# Allegro board C000PD020-3399PRO-DMEB-A-A01.brd (continued)
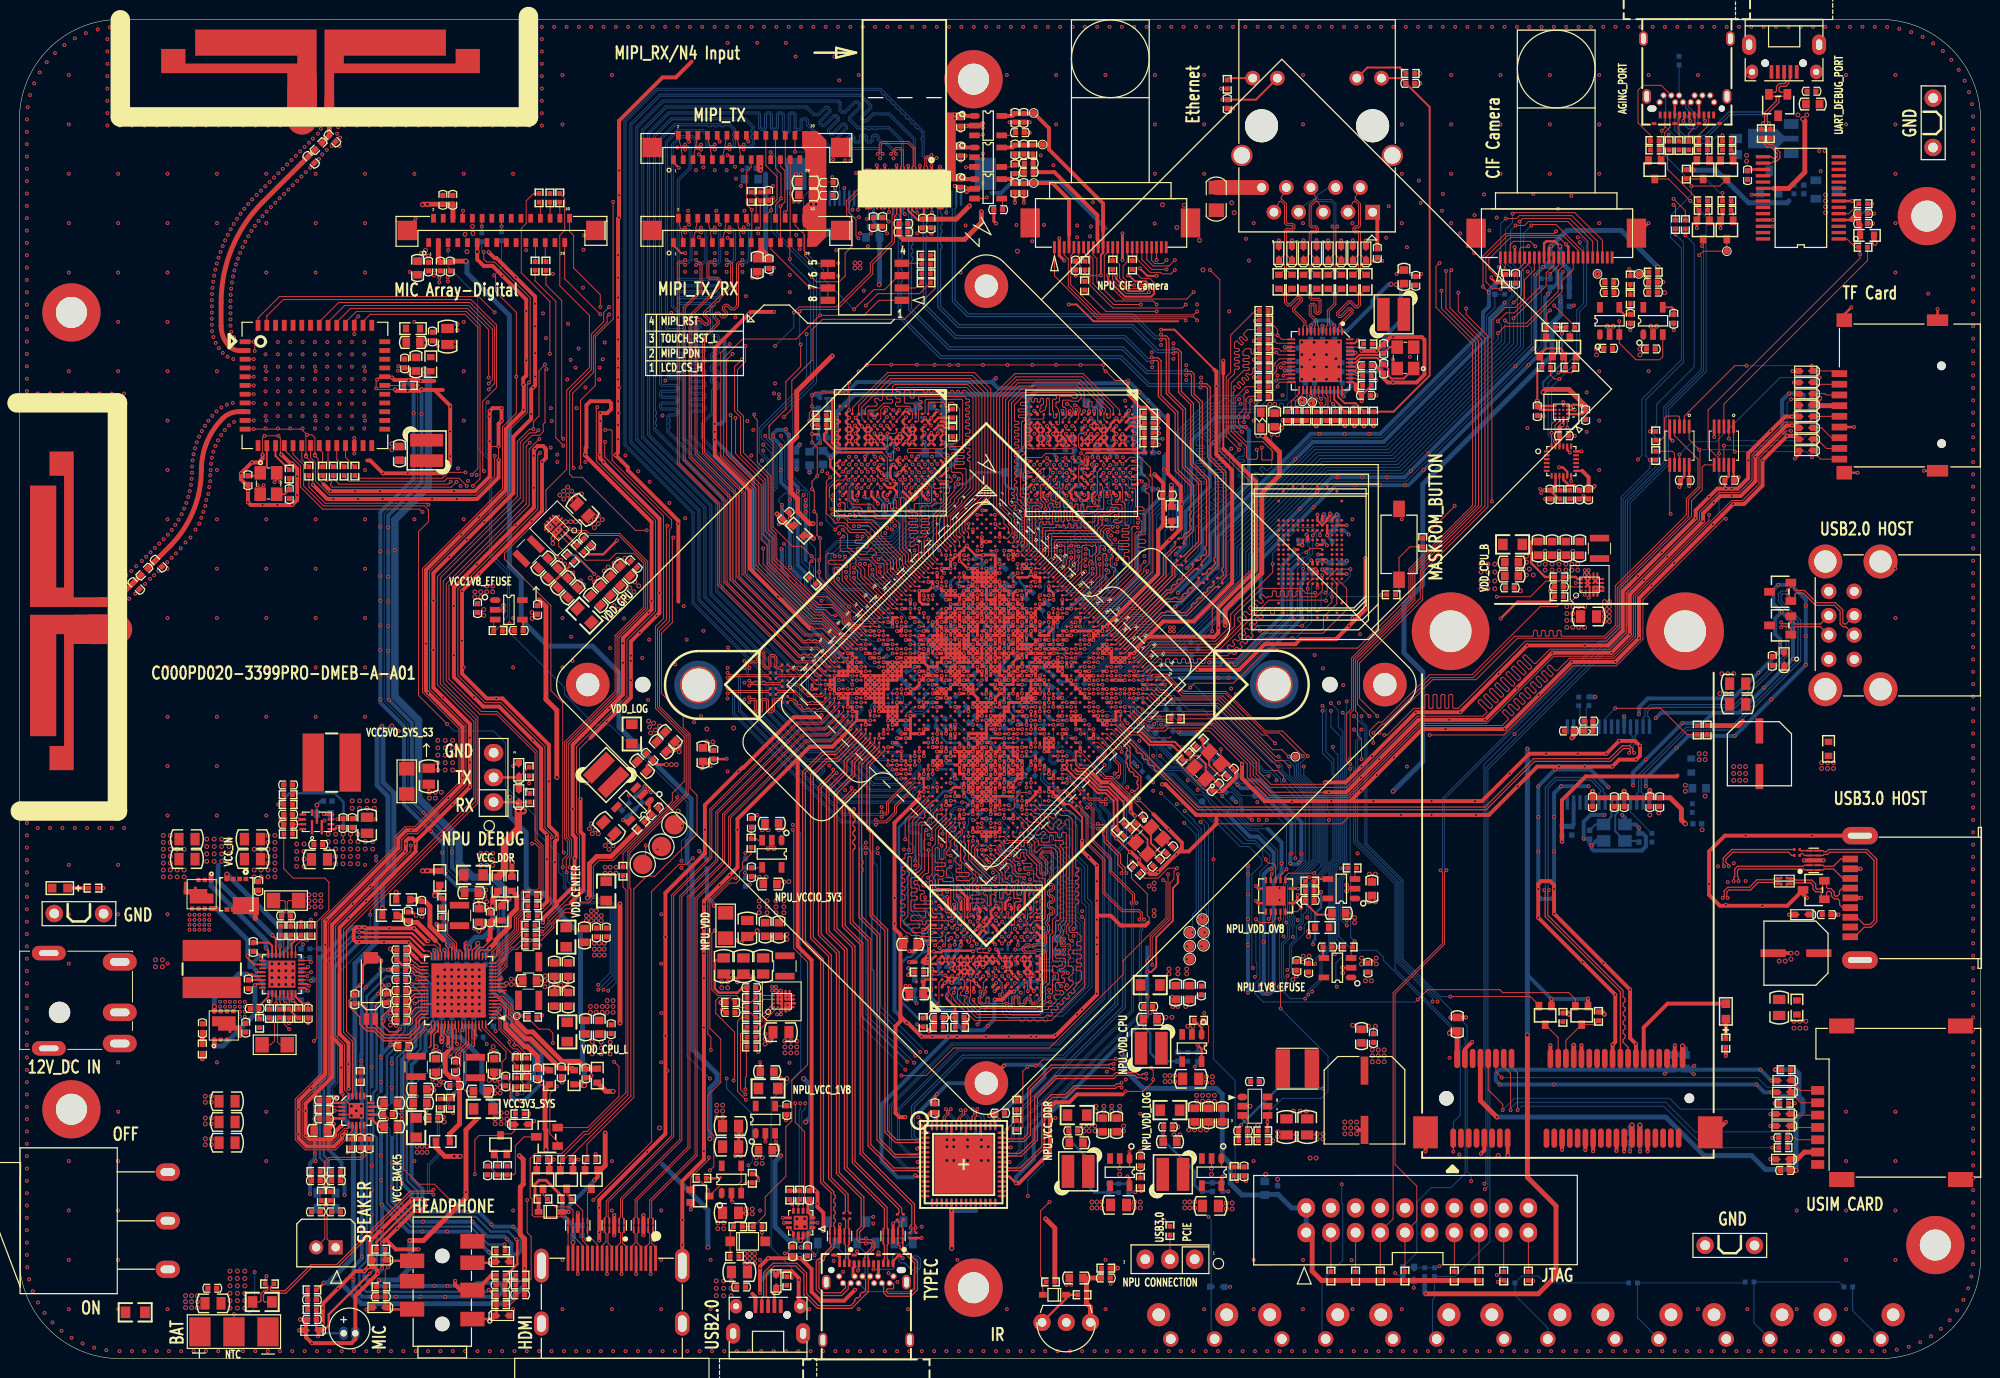
[diagram p0: board, top side]
## Routing (per net, layer and track width the routed paths; a pad name or vN(x,y) marks a point on that pad's centre or on a via; arc(x,y) is an arc through that point) (continued)
DDR0_DQS3P: length 18.2
  TOP w0.102: U3601.D10 92.86,90.76 v1(93.23,90.39) ; U1000.P4 v1(94.9,80.38)
  S1 w0.102: v1(93.23,90.39) 93.23,90.24 93.3,90.17 93.55,90.17 94.07,89.65 94.07,88.12 93.76,87.81 93.73,87.81 91.79,87.81 91.62,87.64 91.62,82.35 91.84,82.12 92.31,82.12 92.53,81.91 92.53,81.55 92.31,81.33 92.14,81.33 92.14,81.33 91.67,81.33 91.54,81.2 91.54,81.06 91.67,80.93 93.85,80.93 94.06,80.72 94.06,80.57 94.16,80.47 94.44,80.47 94.53,80.38 94.89,80.38 v1(94.9,80.38)
DDR0_ODT0: length 30.7
  TOP w0.102: U3601.J8 89.83,92.41 89.94,92.52 89.94,93.53 90.04,93.64 90.36,93.64 v1(90.42,93.58) ; U1000.L4 96.27,81.76 v1(96.27,81.76)
  S1 w0.102: v1(96.27,81.76) 96.27,82.12 96.8,82.64 96.8,83.06 96.49,83.37 96.49,83.98 96.7,84.18 96.7,84.76 96.61,84.84 96.28,84.84 96.19,84.93 96.19,85.06 96.28,85.15 96.61,85.15 96.7,85.24 96.7,85.36 96.61,85.45 96.28,85.45 96.19,85.54 96.19,85.67 96.28,85.76 96.61,85.76 96.7,85.85 96.7,85.97 96.61,86.06 96.28,86.06 96.19,86.15 96.19,86.28 96.28,86.37 96.61,86.37 96.7,86.46 96.7,89.06 97.51,89.87 97.51,92.06 97.36,92.21 97.05,92.21 96.95,92.11 96.95,92.01 96.85,91.91 96.24,91.91 96.14,92.01 96.14,93.74 95.94,93.93 95.32,93.93 95.22,93.83 95.22,93.27 95.12,93.17 94.75,93.17 94.65,93.27 94.65,93.83 94.55,93.93 94.35,93.93 94.24,93.83 94.24,93.27 94.14,93.17 93.94,93.17 93.84,93.27 93.84,93.83 93.74,93.93 93.53,93.93 93.43,93.83 93.43,93.48 93.33,93.37 93.12,93.37 93.02,93.48 93.02,93.83 92.92,93.93 92.72,93.93 92.62,93.83 92.62,93.48 92.51,93.37 92.31,93.37 92.21,93.48 92.21,93.83 92.11,93.93 91.88,93.93 91.79,93.84 91.79,93.42 91.7,93.33 91.47,93.33 91.36,93.43 91.36,93.83 91.26,93.93 90.52,93.93 90.42,93.83 v1(90.42,93.58)
DDR1_A0: length 30.1
  TOP w0.102: U3600.R2 105.41,96.78 105.31,96.68 104,96.68 103.4,96.08 103.4,94.04 103.81,93.63 108.32,93.63 108.42,93.53 108.42,93.22 108.32,93.12 105.58,93.12 105.18,92.72 103.51,92.72 103.39,92.6 103.39,91.18 103.28,91.07 103.28,90.39 103.36,90.3 103.55,90.3 103.67,90.18 103.67,90.04 103.6,89.97 103.37,89.97 103.28,89.88 103.28,89.08 103.38,88.98 103.78,88.98 103.9,88.86 103.9,88.65 103.71,88.46 103.71,88.23 103.9,88.04 104.52,88.04 104.52,88.04 105.06,88.04 105.16,87.94 105.16,87.94 105.29,87.82 105.29,87.66 105.18,87.55 105.05,87.55 104.83,87.77 104.32,87.77 104.22,87.67 104.22,83.83 104.32,83.73 104.32,83.4 103.48,82.56 103.29,82.56 U1000.B10
DDR1_A1: length 29.7
  TOP w0.102: U3600.P2 105.98,97.24 105.98,98.73 105.89,98.82 105.75,98.82 105.67,98.74 105.67,98.01 105.58,97.92 105.58,97.66 105.48,97.56 105.37,97.56 105.23,97.42 105.09,97.42 104.98,97.52 104.98,97.66 105.09,97.77 105.09,98.05 105.18,98.14 105.29,98.14 105.38,98.23 105.38,98.71 105.28,98.82 105.14,98.82 105.04,98.71 105.04,98.5 104.95,98.41 104.82,98.41 104.73,98.5 104.73,98.72 104.64,98.81 104.52,98.81 104.43,98.72 104.43,98.5 104.34,98.41 104.21,98.41 104.12,98.5 104.12,98.72 104.03,98.81 103.91,98.81 103.82,98.72 103.82,98.5 103.73,98.41 103.09,98.41 103,98.31 103,98.16 103.1,98.06 103.6,98.06 103.71,97.95 103.71,97.81 103.62,97.72 102.84,97.72 102.77,97.65 102.77,97.5 102.85,97.41 103.7,97.41 103.79,97.33 103.79,97.2 103.7,97.11 102.9,97.11 102.81,97.02 102.81,96.9 102.9,96.8 103.38,96.8 103.47,96.72 103.47,96.57 103.36,96.47 103.22,96.47 103.12,96.37 103.12,93.89 103.2,93.81 103.2,93.63 103.1,93.53 103.1,93.43 103.2,93.33 103.37,93.33 103.45,93.24 103.45,93.09 103.38,93.02 103.25,93.02 103.09,92.86 103.09,91.23 103,91.15 103,88.75 103.1,88.65 103.2,88.65 103.21,88.66 103.35,88.66 103.45,88.56 103.45,88.34 103.4,88.29 103.4,88.14 103.92,87.62 103.92,83.44 103.63,83.14 U1000.A10
DDR1_A2: length 30.6
  TOP w0.102: U3600.N2 106.71,96.89 106.63,96.81 106.48,96.81 106.4,96.89 106.4,97.46 106.3,97.56 106.3,98.61 106.4,98.72 106.6,98.72 106.71,98.82 106.71,99.02 106.6,99.12 103.35,99.12 102.39,98.16 102.39,96.53 102.48,96.44 102.76,96.44 102.84,96.35 102.84,96.23 102.76,96.14 102.48,96.14 102.39,96.05 102.39,95.92 102.48,95.83 102.76,95.83 102.84,95.74 102.84,95.62 102.76,95.53 102.48,95.53 102.39,95.44 102.39,95.31 102.48,95.22 102.76,95.22 102.84,95.13 102.84,95.01 102.76,94.92 102.48,94.92 102.39,94.83 102.39,94.7 102.48,94.61 102.76,94.61 102.84,94.52 102.84,94.4 102.76,94.31 102.48,94.31 102.39,94.22 102.39,94.09 102.48,94 102.76,94 102.84,93.91 102.84,93.79 102.76,93.7 102.48,93.7 102.39,93.61 102.39,93.48 102.48,93.39 102.76,93.39 102.84,93.3 102.84,93.18 102.76,93.09 102.48,93.09 102.39,93 102.39,92.87 102.48,92.78 102.65,92.78 102.74,92.7 102.74,92.57 102.65,92.48 102.48,92.48 102.39,92.39 102.39,92.26 102.48,92.17 102.65,92.17 102.74,92.09 102.74,91.96 102.65,91.87 102.48,91.87 102.39,91.78 102.39,91.65 102.48,91.57 102.55,91.57 102.64,91.48 102.64,91.35 102.55,91.26 102.48,91.26 102.39,91.17 102.39,91.04 102.48,90.96 102.55,90.96 102.64,90.87 102.64,90.74 102.55,90.65 102.48,90.65 102.39,90.56 102.39,90.44 102.48,90.35 102.55,90.35 102.64,90.26 102.64,90.13 102.55,90.04 102.48,90.04 102.39,89.95 102.39,89.72 102.44,89.67 102.6,89.67 102.71,89.57 102.71,89.13 102.6,89.03 102.6,88.84 102.69,88.75 102.69,88.45 102.8,88.34 102.98,88.34 103.09,88.24 103.09,88.05 103.67,87.47 103.67,83.64 103.04,83.01 102.84,83.01 U1000.B9
DDR1_A3: length 29.7
  TOP w0.102: U1000.A9 103.42,83.85 103.42,87.32 102.59,88.14 102.18,88.14 102.08,88.25 102.08,88.43 102.17,88.51 102.3,88.51 102.39,88.6 102.39,88.73 102.3,88.82 102.17,88.82 102.08,88.91 102.08,89.04 102.17,89.12 102.3,89.12 102.39,89.21 102.39,89.34 102.3,89.43 102.17,89.43 102.08,89.52 102.08,98.33 103.18,99.43 108.64,99.43 108.86,99.2 108.86,98.96 108.73,98.82 108.43,98.82 108.23,99.02 107.11,99.02 107.01,98.92 107.01,98.51 106.91,98.41 106.71,98.41 106.65,98.36 106.65,97.95 106.91,97.7 106.91,97.42 107.01,97.32 107.01,96.18 106.93,96.09 106.79,96.09 106.71,96.18 U3600.N3
DDR1_A4: length 30.4
  TOP w0.102: U3600.M3 107.36,96.62 107.52,96.79 107.61,96.79 107.7,96.88 107.7,97.76 107.57,97.89 107.44,97.89 107.34,98 107.34,98.53 107.44,98.63 108.13,98.63 108.24,98.51 108.94,98.51 109.25,98.82 109.25,99.22 108.71,99.76 103.09,99.76 101.78,98.46 101.78,87.99 102.06,87.71 102.19,87.71 102.29,87.81 102.42,87.81 102.51,87.72 102.51,87.59 102.41,87.49 102.41,87.37 102.49,87.28 102.62,87.28 102.72,87.38 102.85,87.38 102.94,87.29 102.94,87.16 102.83,87.06 102.83,86.93 103.16,86.61 103.16,84.05 102.59,83.47 102.44,83.47 102.31,83.6 U1000.B8
DDR1_A5: length 29.7
  TOP w0.102: U3600.F3 111.1,96.36 110.95,96.5 110.95,97.72 110.77,97.9 110.46,97.9 110.36,98 110.36,98.41 110.26,98.51 110.06,98.51 109.96,98.41 109.96,98 109.86,97.9 109.65,97.9 109.55,98 109.55,99.43 108.89,100.08 102.88,100.08 101.47,98.69 101.47,87.86 102.69,86.64 102.69,86.06 102.91,85.84 102.91,84.26 U1000.A8
DDR1_A6: length 30.2
  TOP w0.102: U1000.B7 101.85,84.06 101.99,83.92 102.23,83.92 102.34,84.03 102.34,84.14 102.65,84.46 102.65,85.72 102.39,85.98 102.39,86.52 101.17,87.74 101.17,98.81 102.76,100.4 109.03,100.4 111.28,98.15 111.28,98.01 111.38,97.91 111.55,97.91 111.75,97.71 111.75,97.42 111.61,97.28 111.61,97.28 111.59,97.27 111.59,96.67 U3600.E3
DDR1_A7: length 30
  TOP w0.102: U3600.E2 111.91,96.87 111.99,96.78 112.14,96.78 112.24,96.89 112.24,97.65 109.18,100.71 102.64,100.71 100.86,98.94 100.86,87.64 102.08,86.42 102.08,85.91 102.43,85.56 102.43,84.7 U1000.A7
DDR1_A8: length 30.8
  TOP w0.102: U1000.B6 101.49,84.36 101.64,84.36 102.15,84.87 102.15,85.49 101.78,85.86 101.78,86.31 100.56,87.53 100.56,99.06 102.52,101.02 109.38,101.02 112.56,97.84 U3600.D2
DDR1_A9: length 30.7
  TOP w0.102: U1000.A6 101.79,84.98 101.79,84.98 101.79,85.44 101.29,85.93 101.29,86.42 100.25,87.46 100.25,99.19 102.42,101.35 109.45,101.35 113.21,97.6 U3600.C2
DDR1_CKE0: length 25.1
  TOP w0.102: v1(108.61,98.1) 108.81,98.1 109.14,97.77 109.14,97.45 108.99,97.3 108.99,96.75 108.66,96.42 U3600.K3 ; v1(100.41,85.9) 100.87,85.44 U1000.A5
  S1 w0.102: v1(108.61,98.1) 108.25,98.1 108.03,97.88 107.58,97.88 107.54,97.92 103.04,97.92 102.95,97.83 102.95,97.59 102.86,97.5 102.73,97.5 102.64,97.59 102.64,97.83 102.55,97.92 102.43,97.92 102.34,97.83 102.34,97.59 102.25,97.5 102.12,97.5 102.03,97.59 102.03,97.83 101.94,97.92 101.54,97.92 99.95,96.33 99.95,87.29 99.77,87.11 99.77,86.04 99.92,85.9 v1(100.41,85.9)
DDR1_CKE1: length 27.5
  TOP w0.102: U1000.E6 100.56,83.14 v1(100.56,83.14) ; U3600.K4 108.66,95.82 108.52,95.96 v1(108.33,95.96)
  S1 w0.102: v1(100.56,83.14) 100.8,83.14 101.22,83.56 101.22,83.77 100.91,84.08 100.51,84.08 100.41,84.19 100.41,84.9 100.3,85 100,85 99.84,85.17 99.84,85.42 99.92,85.51 100.54,85.51 100.76,85.73 100.76,86.2 100.62,86.34 100.25,86.34 100.01,86.58 100.01,86.97 100.25,87.21 100.25,96.23 101.16,97.14 101.47,97.14 101.56,97.05 101.56,96.57 101.65,96.48 101.77,96.48 101.86,96.57 101.86,97.05 101.95,97.14 107.68,97.14 107.82,96.99 107.82,96.46 v1(108.33,95.96)
DDR1_CLK: length 29.8
  TOP w0.102: v1(101.79,82.68) 101.63,82.52 101.63,82.38 U1000.D9 ; U3600.J3 109.31,96.4 v1(109.64,96.73)
  S1 w0.102: v1(109.64,96.73) 109.64,96.93 109.54,97.03 108.68,97.03 108.57,96.92 108.57,96.65 109.09,96.12 109.09,94.8 108.87,94.58 106.81,94.58 106.67,94.45 106.13,94.45 105.99,94.58 103.61,94.58 103.29,94.27 102.96,94.27 102.73,94.49 102.73,95.08 102.63,95.18 102.35,95.18 101.94,94.78 101.94,94.45 102.55,93.84 102.55,93.53 102.29,93.26 101.98,93.26 101.44,93.79 101.3,93.79 101.07,93.56 101.07,93.38 101.52,92.93 101.52,92.62 101.07,92.16 101.07,86.6 101.52,86.15 101.52,85.39 101.61,85.3 101.85,85.3 101.87,85.28 102.08,85.07 102.08,84.77 101.88,84.56 101.61,84.56 101.52,84.48 101.52,84.36 101.63,84.26 102.17,84.26 102.39,84.04 102.39,83.65 101.69,82.96 101.69,82.78 v1(101.79,82.68)
DDR1_CLKN: length 29.5
  TOP w0.102: v1(101.33,83.14) 101.33,83.14 U1000.D8 ; U3600.J2 109.31,97.16 109.56,97.41 v1(109.56,97.49)
  S1 w0.102: v1(109.56,97.49) 109.56,97.41 109.38,97.23 108.59,97.23 108.36,97 108.36,96.57 108.89,96.04 108.89,94.89 108.79,94.78 106.72,94.78 106.59,94.65 106.21,94.65 106.08,94.78 103.52,94.78 103.21,94.47 103.04,94.47 102.94,94.57 102.94,95.17 102.72,95.39 102.26,95.39 101.74,94.86 101.74,94.36 102.35,93.76 102.35,93.61 102.2,93.47 102.06,93.47 101.53,94 101.22,94 100.86,93.64 100.86,93.3 101.32,92.84 101.32,92.7 100.86,92.25 100.86,86.52 101.32,86.06 101.32,85.28 101.53,85.07 101.79,85.07 101.88,84.98 101.88,84.86 101.79,84.77 101.53,84.77 101.32,84.56 101.32,84.28 101.54,84.06 102.08,84.06 102.18,83.96 102.18,83.74 101.58,83.14 v1(101.33,83.14)
DDR1_CS0N: length 31.4
  TOP w0.102: v1(107.79,98.25) 107.86,98.17 107.98,98.17 108.41,97.74 108.41,97.36 108.33,97.27 108.33,97.03 108.01,96.71 U3600.L3 ; v1(102.71,80.84) 102.25,80.37 U1000.F12
  S1 w0.102: v1(107.79,98.25) 107.7,98.34 101.45,98.34 99.64,96.53 99.64,87.38 99.43,87.17 99.43,86.82 99.33,86.72 99.06,86.72 98.96,86.62 98.96,86.21 99.06,86.11 99.29,86.11 99.39,86.01 99.39,85.81 99.29,85.7 99.06,85.7 98.96,85.6 98.96,85.33 99.06,85.23 99.35,85.23 99.53,85.05 99.53,84.76 100.05,84.24 100.05,82.94 100.77,82.22 101.63,82.22 102.25,81.6 102.25,81.31 102.71,80.85 v1(102.71,80.84)
DDR1_CS1N: length 26.7
  TOP w0.102: v1(107.68,95.96) 107.68,95.66 107.78,95.56 U3600.L4 ; U1000.A2 v1(100.38,86.82)
  S1 w0.102: v1(107.68,95.96) 107.82,95.96 107.92,95.86 107.92,95.67 107.82,95.56 106.86,95.56 106.76,95.66 106.76,95.77 106.92,95.93 106.97,95.93 107.11,96.07 107.11,96.28 107.32,96.48 107.32,96.68 107.22,96.78 106.12,96.78 106.04,96.69 106.04,96.46 105.95,96.37 105.82,96.37 105.73,96.46 105.73,96.69 105.64,96.78 105.51,96.78 105.43,96.69 105.43,96.46 105.34,96.37 105.21,96.37 105.12,96.46 105.12,96.69 105.03,96.78 104.9,96.78 104.82,96.69 104.82,96.46 104.73,96.37 104.6,96.37 104.51,96.46 104.51,96.69 104.42,96.78 104.3,96.78 104.21,96.69 104.21,96.46 104.12,96.37 103.99,96.37 103.9,96.46 103.9,96.69 103.81,96.78 103.69,96.78 103.6,96.69 103.6,96.46 103.51,96.37 103.38,96.37 103.29,96.46 103.29,96.69 103.2,96.78 103.04,96.78 102.95,96.68 102.95,96.07 102.87,95.99 102.72,95.99 102.64,96.07 102.64,96.68 102.54,96.78 102.34,96.78 102.24,96.68 102.24,95.97 101.96,95.69 101.83,95.69 101.74,95.78 101.74,96.09 101.65,96.18 101.52,96.18 101.44,96.09 101.44,95.76 101.35,95.67 101.22,95.67 101.13,95.76 101.13,96.09 101.04,96.18 100.81,96.18 100.56,95.92 100.56,86.97 100.4,86.82 v1(100.38,86.82)
DDR1_D0: length 24.9
  TOP w0.102: U3600.P9 106.06,91.42 106.31,91.16 106.36,91.16 106.35,91.18 v1(106.35,91.18) ; U1000.B15 105.79,80.38 105.79,80.38 105.93,80.38 107.42,81.87 107.42,82.35 107.57,82.5 107.57,83.55 107.45,83.66 107.16,83.66 v1(107.16,83.67)
  BOTTOM w0.102: v1(107.16,83.67) 106.88,83.67 106.76,83.55 106.76,83.17 106.65,83.06 104.14,83.06 103.71,83.49 103.71,83.76 103.8,83.85 104.13,83.85 104.22,83.94 104.22,84.06 104.13,84.15 103.8,84.15 103.71,84.24 103.71,84.37 103.8,84.46 104.13,84.46 104.22,84.55 104.22,84.67 104.13,84.76 103.8,84.76 103.71,84.85 103.71,84.98 103.8,85.07 104.13,85.07 104.22,85.16 104.22,85.28 104.13,85.37 103.8,85.37 103.71,85.46 103.71,85.59 103.8,85.68 104.13,85.68 104.22,85.77 104.22,85.89 104.13,85.98 103.8,85.98 103.71,86.07 103.71,86.2 103.8,86.29 104.13,86.29 104.22,86.38 104.22,86.5 104.13,86.59 103.8,86.59 103.71,86.68 103.71,86.81 103.8,86.9 104.13,86.9 104.22,86.99 104.22,87.11 104.13,87.2 103.8,87.2 103.71,87.29 103.71,87.42 103.8,87.51 104.13,87.51 104.22,87.59 104.22,87.72 104.13,87.81 103.8,87.81 103.71,87.9 103.71,88.04 103.81,88.14 105.03,88.14 105.18,88.3 105.18,89.53 105.57,89.92 105.97,89.92 106.13,90.08 106.13,90.76 106.2,90.83 106.3,90.83 106.41,90.95 106.41,91.06 106.36,91.11 106.36,91.16 106.35,91.18 v1(106.35,91.18)
DDR1_D1: length 23.9
  TOP w0.102: U3600.N9 106.48,91.56 106.38,91.66 106.38,91.88 v1(106.45,91.96) ; v1(107.12,82.56) 107.11,82.55 107.11,82.03 106.38,81.3 105.93,80.84 U1000.A15
  BOTTOM w0.102: v1(106.45,91.96) 106.46,91.96 106.46,91.72 106.31,91.57 106.12,91.57 105.99,91.45 105.99,90.99 105.75,90.75 105.6,90.75 105.41,90.55 105.41,90.2 104.9,89.69 104.9,88.55 104.8,88.45 103.2,88.45 103,88.25 103,88.14 103.09,88.05 103.31,88.05 103.4,87.97 103.4,87.84 103.31,87.75 103.09,87.75 103,87.66 103,87.53 103.09,87.45 103.31,87.45 103.4,87.36 103.4,87.23 103.31,87.14 103.09,87.14 103,87.05 103,86.92 103.09,86.84 103.31,86.84 103.4,86.75 103.4,86.62 103.31,86.53 103.09,86.53 103,86.44 103,86.31 103.09,86.23 103.31,86.23 103.4,86.14 103.4,86.01 103.31,85.92 103.09,85.92 103,85.83 103,85.71 103.09,85.62 103.31,85.62 103.4,85.53 103.4,85.4 103.31,85.31 103.09,85.31 103,85.22 103,85.1 103.09,85.01 103.31,85.01 103.4,84.92 103.4,84.79 103.31,84.7 103.09,84.7 103,84.61 103,84.49 103.09,84.4 103.31,84.4 103.4,84.31 103.4,84.18 103.31,84.09 103.09,84.09 103,84 103,83.88 103.09,83.79 103.31,83.79 103.4,83.7 103.4,83.57 103.31,83.48 103.21,83.48 103.12,83.39 103.12,83.27 103.83,82.56 105.29,82.56 105.99,81.85 106.6,81.85 107.12,82.37 v1(107.12,82.56)
DDR1_D2: length 24
  TOP w0.102: v1(106.48,90.41) 106.71,90.63 U3600.N10 ; v1(108.23,82.43) 108.23,82.3 108.03,82.1 108.03,81.58 107.07,80.62 106.38,79.92 U1000.B16
  BOTTOM w0.102: v1(106.48,90.41) 106.46,90.38 106.46,89.87 106.3,89.72 106.2,89.72 106.12,89.63 106.12,89.49 106.2,89.41 106.34,89.41 106.41,89.35 106.41,89.12 106.33,89.03 106.24,89.03 106.13,88.93 106.13,87.24 105.92,87.03 105.33,87.03 105.13,87.23 105.13,87.74 105.03,87.84 104.62,87.84 104.52,87.74 104.52,83.47 104.62,83.37 106.35,83.37 106.45,83.47 106.45,83.88 106.59,84.02 107.43,84.02 107.57,83.88 107.57,80.63 107.67,80.53 108.13,80.53 108.23,80.63 v1(108.23,82.43)
DDR1_D3: length 23.5
  TOP w0.102: U3600.N11 106.71,90.12 106.84,90.26 106.95,90.26 107.04,90.18 107.04,89.72 106.89,89.57 106.58,89.57 106.4,89.74 106.3,89.74 106.2,89.64 106.2,89.46 106.4,89.26 106.4,89.03 106.15,88.78 106.15,88.4 106.27,88.28 106.52,88.28 106.59,88.22 106.6,88.22 106.73,88.09 v1(106.73,88.02) ; v1(108.23,83.67) 108.23,83.69 108.17,83.62 107.98,83.62 107.87,83.52 107.87,82.38 107.72,82.22 107.72,81.72 106.72,80.72 106.39,80.38 U1000.A16
  BOTTOM w0.102: v1(106.73,88.02) 106.73,86.55 106.6,86.42 105.23,86.42 105.13,86.31 105.13,86.21 105.22,86.12 105.96,86.12 106.05,86.03 106.05,85.9 105.96,85.81 105.22,85.81 105.13,85.72 105.13,85.6 105.22,85.51 105.96,85.51 106.05,85.42 106.05,85.29 105.96,85.2 105.22,85.2 105.13,85.11 105.13,84.99 105.22,84.9 105.45,84.9 105.54,84.81 105.54,84.68 105.45,84.59 105.22,84.59 105.13,84.5 105.13,84.08 105.23,83.98 105.74,83.98 105.84,84.08 105.84,84.79 105.94,84.89 106.15,84.89 106.25,84.79 106.25,84.69 106.35,84.59 108.08,84.59 108.18,84.49 108.18,84.18 108.28,84.08 108.69,84.08 108.76,84.01 108.76,83.91 108.52,83.67 108.24,83.67 v1(108.23,83.67)
DDR1_D4: length 24.2
  TOP w0.102: U3600.M8 107.36,92.33 v1(107.73,91.95) ; v1(108.97,82.54) 108.99,82.52 108.99,82.2 108.64,81.84 108.64,81.24 106.86,79.46 U1000.B17
  BOTTOM w0.102: v1(107.73,91.95) 107.62,91.95 107.23,91.57 106.83,91.57 106.7,91.44 106.7,90.92 106.84,90.78 106.84,89.15 106.61,88.92 106.59,88.92 106.38,88.72 106.38,86.92 106.18,86.72 104.93,86.72 104.83,86.62 104.83,83.77 104.93,83.67 106.05,83.67 106.15,83.77 106.15,84.16 106.27,84.28 107.77,84.28 107.87,84.18 107.87,83.47 108.03,83.32 108.09,83.32 108.09,83.31 108.38,83.31 108.44,83.32 108.59,83.17 108.59,81.34 108.69,81.23 108.89,81.23 108.99,81.34 108.99,82.52 v1(108.97,82.54)
DDR1_D5: length 23.4
  TOP w0.102: v1(107.07,91.97) 107.07,91.84 U3600.M9 ; v1(108.96,83.58) 108.88,83.66 108.7,83.66 108.6,83.56 108.6,82.24 108.33,81.97 108.33,81.41 U1000.A17
  BOTTOM w0.102: v1(107.07,91.97) 107.07,92.12 107.32,92.36 108.15,92.36 108.26,92.26 108.26,91.63 108.12,91.5 107.54,91.5 107.4,91.35 107.4,91 107.08,90.68 107.08,87.82 107.14,87.76 107.14,87.41 107.06,87.33 107.06,87.03 107.14,86.95 107.14,86.59 107.06,86.52 107.06,86.21 106.96,86.11 106.45,86.11 106.35,86.01 106.35,85.91 106.44,85.82 107.05,85.82 107.14,85.73 107.14,85.6 107.05,85.51 106.44,85.51 106.35,85.43 106.35,85.12 106.58,84.89 106.86,84.89 107.06,85.1 107.26,85.1 107.47,84.89 107.77,84.89 107.98,85.1 108.59,85.1 108.69,84.99 108.69,84.79 108.48,84.59 108.48,84.49 108.59,84.38 108.79,84.38 108.97,84.57 109.11,84.57 109.2,84.48 109.2,84.34 109.09,84.23 109.09,84.1 109.18,84.02 109.7,84.02 109.8,83.92 109.8,83.78 109.7,83.67 109.47,83.67 109.25,83.46 109.11,83.46 108.98,83.58 v1(108.96,83.58)
DDR1_D6: length 23.3
  TOP w0.102: v1(109.74,83.31) 109.76,83.31 109.81,83.27 110.01,83.27 110.11,83.17 110.11,82.66 110.21,82.56 110.39,82.56 110.82,82.99 110.82,83.57 110.7,83.69 110.56,83.69 110.44,83.56 110.29,83.56 110.16,83.69 109.44,83.69 109.32,83.57 109.32,82.1 108.94,81.72 108.94,81.1 U1000.A18 ; v1(107.76,91.14) 107.5,91.14 107.4,91.04 107.4,90.8 U3600.M10
  BOTTOM w0.102: v1(109.74,83.31) 109.92,83.31 110.07,83.17 110.07,82.27 110.17,82.17 110.31,82.17 110.41,82.27 110.41,83.77 109.83,84.36 109.68,84.36 109.57,84.47 109.57,84.62 108.79,85.4 108.13,85.4 108,85.53 107.85,85.53 107.72,85.4 107.54,85.4 107.44,85.5 107.44,86.12 107.52,86.19 107.52,86.65 107.44,86.73 107.44,87.23 107.52,87.31 107.52,87.87 107.38,88.01 107.38,89.42 107.38,89.42 107.38,89.71 107.38,89.71 107.38,90.6 107.52,90.73 107.88,90.73 107.98,90.84 107.98,91.04 107.88,91.14 v1(107.76,91.14)
DDR1_D7: length 23.8
  TOP w0.102: U3600.M11 107.36,89.66 107.01,89.31 107.01,88.8 107.26,88.55 107.47,88.55 107.75,88.27 v1(107.77,88.27) ; U1000.B18 107.21,79 107.32,79 109.25,80.94 109.25,81.59 109.7,82.05 v1(109.7,82.28)
  BOTTOM w0.102: v1(107.77,88.27) 107.82,88.22 107.82,86.19 108.31,85.71 108.92,85.71 110.72,83.9 110.72,82.15 110.8,82.07 110.8,79.49 110.62,79.3 110.38,79.3 110.29,79.4 110.29,80.13 110.2,80.22 109.96,80.22 109.86,80.12 109.86,79.41 109.75,79.3 109.4,79.3 109.3,79.41 109.3,82.15 109.42,82.28 v1(109.7,82.28)
DDR1_D8: length 24.4
  TOP w0.102: U3600.F11 111.45,89.76 111.45,89.4 111.58,89.27 111.58,87.51 111.48,87.41 110.9,87.41 110.52,87.03 110.21,87.03 110.11,86.92 108.82,86.92 108.72,86.82 108.72,86.64 108.84,86.52 108.94,86.52 109.02,86.44 109.02,86.3 108.94,86.21 108.47,86.21 108.37,86.32 108.37,87.22 108.28,87.31 108.18,87.31 108.09,87.22 108.09,86.3 108,86.21 107.88,86.21 107.79,86.3 107.79,87.22 107.7,87.31 107.59,87.31 107.51,87.22 107.51,86.2 107.42,86.11 107.29,86.11 107.2,86.2 107.2,87.22 107.11,87.31 106.99,87.31 106.9,87.22 106.9,86.2 106.81,86.11 106.68,86.11 106.59,86.2 106.59,87.22 106.5,87.31 106.4,87.31 106.3,87.2 106.3,85.91 106.2,85.81 106.07,85.81 105.97,85.9 105.97,86.04 105.9,86.11 105.76,86.11 105.67,86.03 105.67,85.91 105.57,85.81 105.42,85.81 105.34,85.89 105.34,85.97 105.24,86.07 105.05,86.07 104.98,86 104.98,83.11 104.09,82.22 103.63,82.22 U1000.B11
DDR1_D9: length 22.5
  TOP w0.102: v1(111.56,91.14) 111.26,90.84 U3600.F10 ; U1000.B12 104.54,81.76 105.59,82.81 105.59,85.1 105.69,85.2 110.52,85.2 110.62,85.3 110.62,85.53 111.01,85.92 111.01,86.59 111.22,86.8 112.19,86.8 112.6,87.21 v1(112.6,87.24)
  BOTTOM w0.102: v1(112.6,87.24) 112.58,87.26 112.58,87.41 112.68,87.51 112.9,87.51 113,87.41 113,87.13 113.12,87.02 113.12,86.72 113.22,86.62 113.61,86.62 113.77,86.77 113.77,87.04 113.67,87.15 113.45,87.15 113.36,87.24 113.36,87.36 113.45,87.45 113.68,87.45 113.77,87.54 113.77,88.04 113.67,88.14 113.42,88.14 113.31,88.25 113.31,88.83 113.51,89.03 113.51,89.34 113.41,89.44 113.41,89.64 113.08,89.97 112.57,89.97 112.45,90.1 112.45,90.38 112.03,90.79 111.38,90.79 111.3,90.87 111.3,91.04 111.4,91.14 v1(111.56,91.14)
DDR1_D10: length 24.3
  TOP w0.102: U1000.A11 104.09,82.68 104.37,82.96 104.67,83.27 104.67,84.08 104.52,84.24 104.52,84.54 104.67,84.69 104.67,84.94 104.52,85.1 104.52,85.38 104.62,85.48 104.62,85.68 104.52,85.79 104.52,85.99 104.62,86.09 104.62,86.29 104.52,86.4 104.52,86.6 104.62,86.7 104.62,86.9 104.52,87.01 104.52,87.33 104.62,87.43 104.81,87.43 104.93,87.32 104.93,86.48 105.03,86.38 105.18,86.38 105.28,86.48 105.28,86.91 105.35,86.99 105.53,86.99 105.63,86.89 105.63,86.48 105.74,86.38 105.89,86.38 105.99,86.48 105.99,87.52 105.84,87.68 105.84,87.84 106.02,88.02 106.25,88.02 106.35,87.91 106.35,87.71 106.45,87.61 106.98,87.61 107.08,87.71 107.08,88.17 107.18,88.27 107.32,88.27 107.42,88.16 107.42,87.69 107.52,87.58 107.9,87.58 108.01,87.69 108.01,87.96 108.1,88.05 108.22,88.05 108.31,87.96 108.31,87.68 108.4,87.58 108.53,87.58 108.62,87.68 108.62,87.86 108.7,87.95 108.83,87.95 108.92,87.86 108.92,87.35 108.99,87.28 109.12,87.28 109.23,87.38 109.23,87.86 109.31,87.95 109.44,87.95 109.53,87.86 109.53,87.32 109.62,87.23 109.75,87.23 109.83,87.32 109.83,87.6 109.92,87.69 110.97,87.69 111.07,87.79 111.07,88.26 110.97,88.36 110.77,88.36 110.67,88.47 110.67,88.73 110.92,88.98 110.92,91.22 U3600.F9
DDR1_D11: length 22.4
  TOP w0.102: v1(111.58,91.95) 111.58,92.21 111.44,92.35 U3600.F8 ; U1000.B13 104.77,81.3 104.78,81.3 105,81.3 106.2,82.5 106.2,84.49 106.3,84.59 111.02,84.59 111.23,84.79 111.23,85.22 111.71,85.71 112.4,85.71 112.5,85.6 v1(112.5,85.58)
  BOTTOM w0.102: v1(111.58,91.95) 111.58,91.62 111.68,91.52 112.45,91.52 112.52,91.44 113.05,91.44 113.23,91.26 113.23,91.01 113.48,90.76 113.72,90.76 114.12,90.35 114.12,89.95 114.54,89.53 114.54,87.8 114.38,87.64 114.38,85.96 114.12,85.71 113.4,85.71 113.14,85.97 112.84,85.97 112.5,85.63 v1(112.5,85.58)
DDR1_D12: length 24.3
  TOP w0.102: U1000.A12 104.55,82.22 105.28,82.96 105.28,85.4 105.38,85.5 106.59,85.5 106.68,85.59 106.68,85.72 106.76,85.81 106.89,85.81 106.98,85.72 106.98,85.59 107.07,85.5 107.2,85.5 107.28,85.59 107.28,85.72 107.37,85.81 107.5,85.81 107.59,85.72 107.59,85.59 107.68,85.5 107.81,85.5 107.89,85.59 107.89,85.82 107.98,85.91 108.11,85.91 108.2,85.82 108.2,85.59 108.29,85.5 108.42,85.5 108.5,85.59 108.5,85.82 108.59,85.91 108.72,85.91 108.81,85.82 108.81,85.59 108.93,85.47 109.16,85.47 109.25,85.56 109.25,86.06 109.34,86.14 109.46,86.14 109.55,86.06 109.55,85.56 109.64,85.47 110.13,85.47 110.23,85.56 110.23,85.7 110.18,85.74 110.03,85.74 109.92,85.86 109.92,86 109.98,86.07 110.57,86.07 110.67,86.17 110.67,86.75 111.02,87.1 112.07,87.1 112.24,87.28 112.24,87.43 112.41,87.6 112.96,87.6 113.13,87.43 113.13,86.52 112.98,86.37 112.7,86.37 112.6,86.26 112.6,86.11 112.7,86.01 113.29,86.01 113.46,86.19 113.46,87.79 113.36,87.89 112.45,87.89 112.34,87.99 112.34,88.84 112.24,88.94 112.24,89.32 111.91,89.65 U3600.E11
DDR1_D13: length 21.7
  TOP w0.102: U3600.E10 111.91,90.75 111.97,90.69 111.97,90.55 111.84,90.43 v1(111.58,90.43) ; U1000.A13 105.34,82.1 105.89,82.65 105.89,84.79 105.99,84.89 110.72,84.89 110.92,85.1 110.92,85.35 111.47,85.9 111.47,86.28 111.37,86.37 v1(111.37,86.43)
  BOTTOM w0.102: v1(111.58,90.43) 111.58,90.17 111.68,90.07 111.83,90.07 111.96,90.2 112.12,90.2 112.19,90.12 112.19,89.75 112.1,89.66 111.67,89.66 111.58,89.57 111.58,89.44 111.68,89.34 112.45,89.34 112.55,89.24 112.55,89.06 112.36,88.88 112.36,88.73 112.5,88.59 112.5,88.41 112.4,88.31 112.02,88.31 111.91,88.21 111.91,88.07 112.04,87.94 112.34,87.94 112.45,87.84 112.45,87.73 112.34,87.63 111.99,87.63 111.89,87.53 111.89,87.38 111.98,87.3 112.17,87.3 112.25,87.21 112.25,87.07 112.17,86.99 111.67,86.99 111.58,86.9 111.58,86.77 111.67,86.69 112.18,86.69 112.27,86.59 112.27,86.21 112.2,86.14 111.84,85.78 111.43,85.78 111.33,85.88 111.33,86.31 111.37,86.36 v1(111.37,86.43)